# KiCad board EOutside.kicad_pcb (continued)
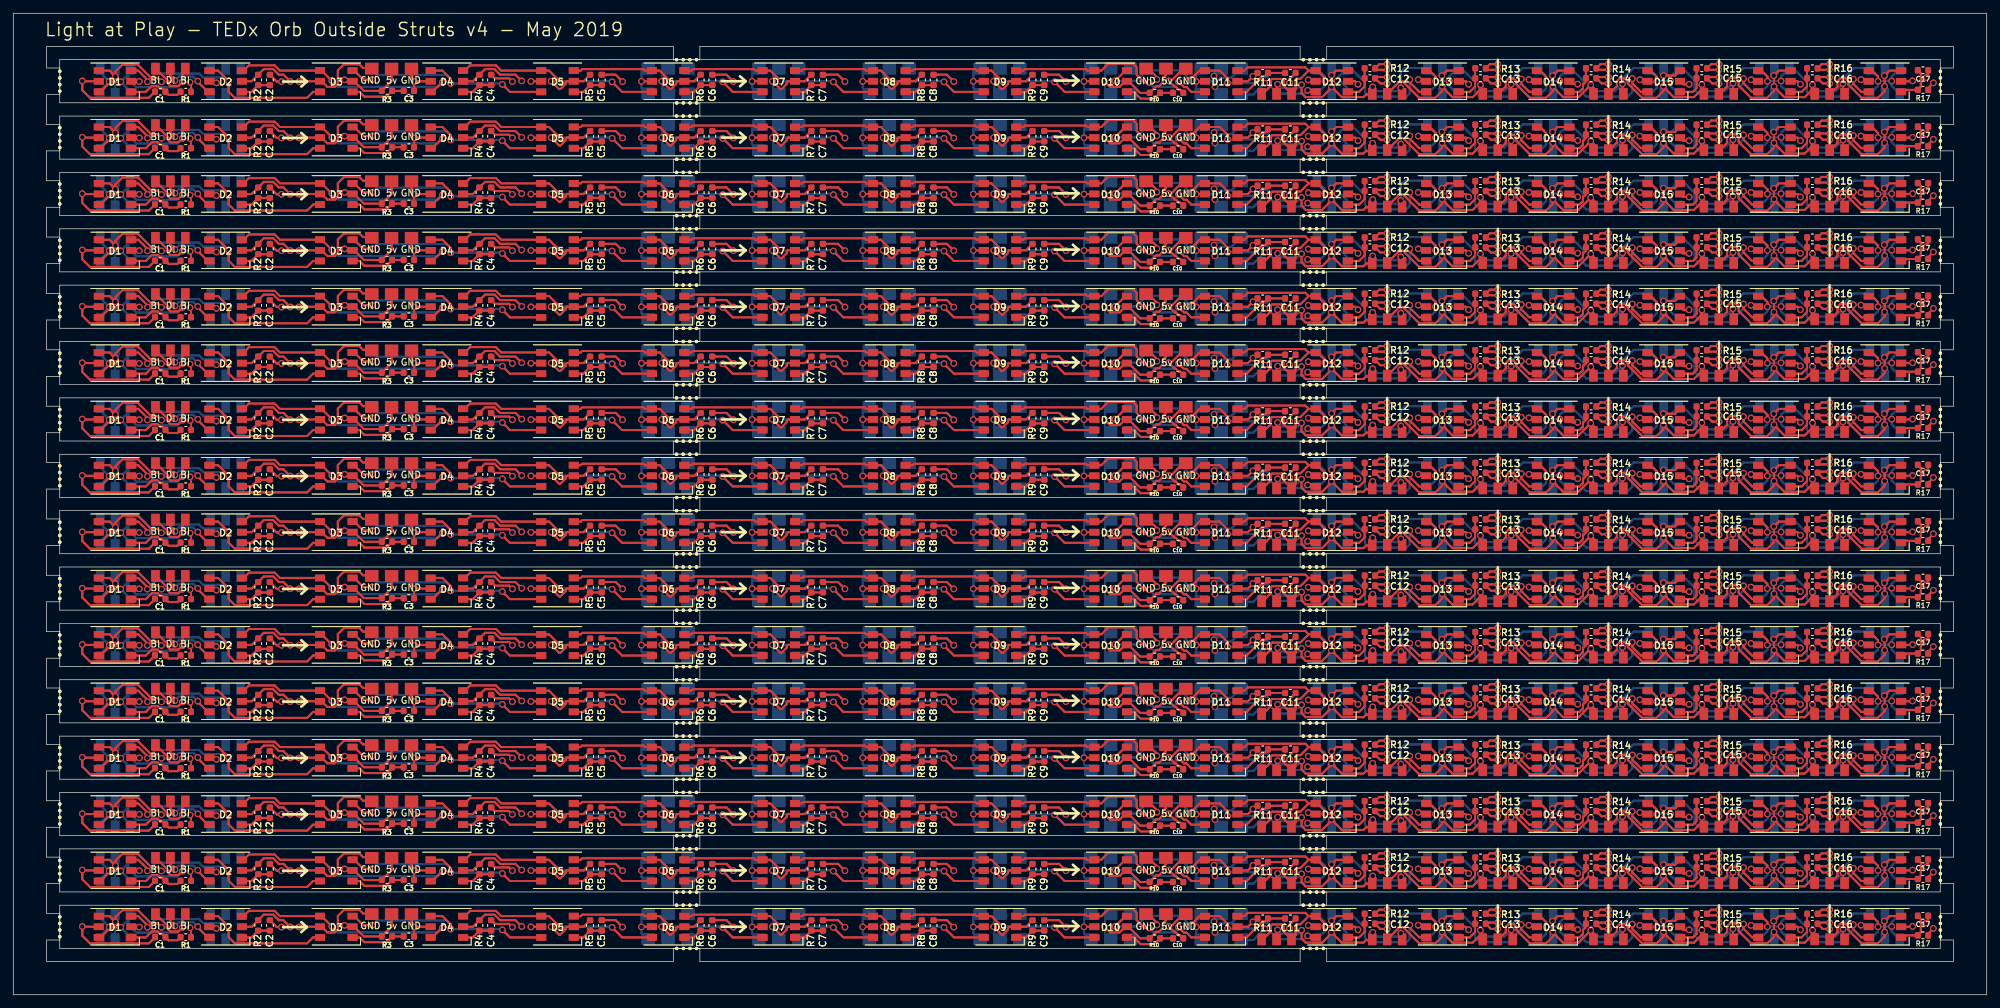
[diagram p0: board, top side]
## Routing (per net, layer and track width the routed paths; a pad name or vN(x,y) marks a point on that pad's centre or on a via; arc(x,y) is an arc through that point) (continued)
  Bottom w0.3: 232.06,139.74 232,139.8 232.06,139.74 ; 232.06,139.74 232.06,139.34 232.06,139.74 ; 231.91,139.56 J10#33.1 231.91,139.56 ; 231.91,139.56 v1(231.91,138.59) 231.91,139.56 ; 249.68,137.03 250.87,135.85 249.68,137.03 ; 249.68,137.03 v1(249.68,137.79) ; 249.68,137.03 v1(249.68,137.79) ; v1(249.68,137.79) 249.68,138.47 ; v1(249.68,137.79) 249.68,138.47 ; v1(249.68,137.79) 247.71,137.79 ; v1(249.68,137.79) 247.71,137.79 ; 249.68,138.47 250.87,139.65 249.68,138.47 ; 249.68,128.53 250.87,127.35 249.68,128.53 ; 249.68,128.53 v1(249.68,129.29) ; 249.68,128.53 v1(249.68,129.29) ; v1(249.68,129.29) 249.68,129.97 ; v1(249.68,129.29) 247.71,129.29 ; v1(249.68,129.29) 247.71,129.29 ; v1(249.68,129.29) 249.68,129.97 ; 249.68,129.97 250.87,131.15 249.68,129.97 ; 232.06,131.24 232,131.3 232.06,131.24 ; 232.06,131.24 232.06,130.84 232.06,131.24 ; 231.91,131.06 J10#36.1 231.91,131.06 ; 231.91,131.06 v1(231.91,130.09) 231.91,131.06 ; 247.71,129.29 v1(247.62,129.2) ; 247.71,129.29 v1(247.62,129.2) ; v1(247.62,129.2) 247.63,129.19 ; v1(247.62,129.2) 247.62,129.95 ; v1(247.62,129.2) 247.63,129.19 ; v1(247.62,129.2) 247.62,129.95 ; 247.63,129.19 247.63,128.28 ; 247.63,129.19 247.63,128.28 ; 247.63,128.28 246.7,127.35 ; 247.63,128.28 246.7,127.35 ; 246.7,127.35 J11#35.2 246.7,127.35 ; 231.96,127.39 231.96,127.76 ; 231.96,127.39 J10#35.1 231.96,127.39 ; 231.96,127.39 231.96,127.76 ; 231.96,127.76 v1(231.96,128.47) 231.96,127.76 ; 247.62,129.95 J11#36.2 247.62,129.95 ; 241.95,128.38 v1(242.45,128.88) ; 241.95,128.38 241.34,127.76 ; 241.95,128.38 241.34,127.76 ; 241.95,128.38 v1(242.45,128.88) ; v1(242.45,128.88) 242.45,129.58 ; v1(242.45,128.88) 242.45,129.58 ; 244.12,131.25 246.42,131.25 244.12,131.25 ; 244.12,131.25 242.45,129.58 ; 244.12,131.25 242.45,129.58 ; 241.34,127.76 238.61,127.76 ; 241.34,127.76 238.61,127.76 ; 238.61,127.76 v1(237.68,128.7) 238.61,127.76 ; 258.66,126.93 260.69,128.95 ; 258.66,126.93 254.32,126.93 ; 258.66,126.93 260.69,128.95 ; 258.66,126.93 254.32,126.93 ; 260.69,128.95 v1(260.69,129.66) 260.69,128.95 ; 251.42,131.3 253.3,129.43 ; 251.42,131.3 250.92,131.3 251.42,131.3 ; 251.42,131.3 253.3,129.43 ; 253.3,129.43 253.3,127.95 ; 253.3,129.43 253.3,127.95 ; 254.32,126.93 253.3,127.95 ; 254.32,126.93 253.3,127.95 ; 249.68,120.03 250.87,118.85 249.68,120.03 ; 249.68,120.03 v1(249.68,120.79) ; 249.68,120.03 v1(249.68,120.79) ; v1(249.68,120.79) 249.68,121.47 ; v1(249.68,120.79) 247.71,120.79 ; v1(249.68,120.79) 247.71,120.79 ; v1(249.68,120.79) 249.68,121.47 ; 249.68,121.47 250.87,122.65 249.68,121.47 ; 232.06,122.74 232,122.8 232.06,122.74 ; 232.06,122.74 232.06,122.34 232.06,122.74 ; 231.91,122.56 J10#40.1 231.91,122.56 ; 231.91,122.56 v1(231.91,121.59) 231.91,122.56 ; 247.71,120.79 v1(247.62,120.7) ; 247.71,120.79 v1(247.62,120.7) ; v1(247.62,120.7) 247.63,120.69 ; v1(247.62,120.7) 247.62,121.45 ; v1(247.62,120.7) 247.63,120.69 ; v1(247.62,120.7) 247.62,121.45 ; 247.63,120.69 247.63,119.78 ; 247.63,120.69 247.63,119.78 ; 247.63,119.78 246.7,118.85 ; 247.63,119.78 246.7,118.85 ; 246.7,118.85 J11#37.2 246.7,118.85 ; 231.96,118.89 231.96,119.26 ; 231.96,118.89 J10#37.1 231.96,118.89 ; 231.96,118.89 231.96,119.26 ; 231.96,119.26 v1(231.96,119.97) 231.96,119.26 ; 247.62,121.45 J11#38.2 247.62,121.45 ; 241.95,119.88 v1(242.45,120.38) ; 241.95,119.88 241.34,119.26 ; 241.95,119.88 v1(242.45,120.38) ; 241.95,119.88 241.34,119.26 ; v1(242.45,120.38) 242.45,121.08 ; v1(242.45,120.38) 242.45,121.08 ; 244.12,122.75 246.42,122.75 244.12,122.75 ; 244.12,122.75 242.45,121.08 ; 244.12,122.75 242.45,121.08 ; 241.34,119.26 238.61,119.26 ; 241.34,119.26 238.61,119.26 ; 238.61,119.26 v1(237.68,120.2) 238.61,119.26 ; 258.66,118.43 260.69,120.45 ; 258.66,118.43 254.32,118.43 ; 258.66,118.43 260.69,120.45 ; 258.66,118.43 254.32,118.43 ; 260.69,120.45 v1(260.69,121.16) 260.69,120.45 ; 251.42,122.8 253.3,120.93 ; 251.42,122.8 250.92,122.8 251.42,122.8 ; 251.42,122.8 253.3,120.93 ; 253.3,120.93 253.3,119.45 ; 253.3,120.93 253.3,119.45 ; 254.32,118.43 253.3,119.45 ; 254.32,118.43 253.3,119.45 ; 246.7,110.35 J11#40.2 246.7,110.35 ; 246.7,110.35 247.63,111.28 ; 246.7,110.35 247.63,111.28 ; 241.34,110.76 241.95,111.38 ; 241.34,110.76 238.61,110.76 ; 241.34,110.76 238.61,110.76 ; 241.34,110.76 241.95,111.38 ; 241.95,111.38 v1(242.45,111.88) ; 241.95,111.38 v1(242.45,111.88) ; 247.63,112.19 v1(247.62,112.2) ; 247.63,112.19 247.63,111.28 ; 247.63,112.19 v1(247.62,112.2) ; 247.63,112.19 247.63,111.28 ; v1(247.62,112.2) 247.71,112.29 ; v1(247.62,112.2) 247.62,112.95 ; v1(247.62,112.2) 247.71,112.29 ; v1(247.62,112.2) 247.62,112.95 ; 238.61,110.76 v1(237.68,111.7) 238.61,110.76 ; 258.66,109.93 260.69,111.95 ; 258.66,109.93 254.32,109.93 ; 258.66,109.93 260.69,111.95 ; 258.66,109.93 254.32,109.93 ; 260.69,111.95 v1(260.69,112.66) 260.69,111.95 ; 254.32,109.93 253.3,110.95 ; 254.32,109.93 253.3,110.95 ; 253.3,110.95 253.3,112.43 ; 253.3,110.95 253.3,112.43 ; 242.45,112.58 v1(242.45,111.88) ; 242.45,112.58 244.12,114.25 ; 242.45,112.58 v1(242.45,111.88) ; 242.45,112.58 244.12,114.25 ; 251.42,114.3 253.3,112.43 ; 251.42,114.3 250.92,114.3 251.42,114.3 ; 251.42,114.3 253.3,112.43 ; 231.96,110.39 231.96,110.76 ; 231.96,110.39 J10#38.1 231.96,110.39 ; 231.96,110.39 231.96,110.76 ; 231.96,110.76 v1(231.96,111.47) 231.96,110.76 ; 247.71,112.29 v1(249.68,112.29) ; 247.71,112.29 v1(249.68,112.29) ; 247.62,112.95 J11#39.2 247.62,112.95 ; 244.12,114.25 246.42,114.25 244.12,114.25 ; 232.06,114.24 232.06,113.84 232.06,114.24 ; 232.06,114.24 232,114.3 232.06,114.24 ; v1(249.68,112.29) 249.68,111.53 ; v1(249.68,112.29) 249.68,112.97 ; v1(249.68,112.29) 249.68,112.97 ; v1(249.68,112.29) 249.68,111.53 ; 249.68,111.53 250.87,110.35 249.68,111.53 ; 249.68,112.97 250.87,114.15 249.68,112.97 ; 231.91,114.06 J10#39.1 231.91,114.06 ; 231.91,114.06 v1(231.91,113.09) 231.91,114.06 ; 247.71,137.79 v1(247.62,137.7) ; 247.71,137.79 v1(247.62,137.7) ; v1(247.62,137.7) 247.63,137.69 ; v1(247.62,137.7) 247.62,138.45 ; v1(247.62,137.7) 247.63,137.69 ; v1(247.62,137.7) 247.62,138.45 ; 247.63,137.69 247.63,136.78 ; 247.63,137.69 247.63,136.78 ; 247.63,136.78 246.7,135.85 ; 247.63,136.78 246.7,135.85 ; 246.7,135.85 J11#34.2 246.7,135.85 ; 231.96,135.89 231.96,136.26 ; 231.96,135.89 J10#34.1 231.96,135.89 ; 231.96,135.89 231.96,136.26 ; 231.96,136.26 v1(231.96,136.97) 231.96,136.26 ; 247.62,138.45 J11#33.2 247.62,138.45 ; 241.95,136.88 v1(242.45,137.38) ; 241.95,136.88 241.34,136.26 ; 241.95,136.88 v1(242.45,137.38) ; 241.95,136.88 241.34,136.26 ; v1(242.45,137.38) 242.45,138.08 ; v1(242.45,137.38) 242.45,138.08 ; 244.12,139.75 246.42,139.75 244.12,139.75 ; 244.12,139.75 242.45,138.08 ; 244.12,139.75 242.45,138.08 ; 241.34,136.26 238.61,136.26 ; 241.34,136.26 238.61,136.26 ; 238.61,136.26 v1(237.68,137.2) 238.61,136.26 ; 258.66,135.43 260.69,137.45 ; 258.66,135.43 254.32,135.43 ; 258.66,135.43 254.32,135.43 ; 258.66,135.43 260.69,137.45 ; 260.69,137.45 v1(260.69,138.16) 260.69,137.45 ; 251.42,139.8 253.3,137.93 ; 251.42,139.8 250.92,139.8 251.42,139.8 ; 251.42,139.8 253.3,137.93 ; 253.3,137.93 253.3,136.45 ; 253.3,137.93 253.3,136.45 ; 254.32,135.43 253.3,136.45 ; 254.32,135.43 253.3,136.45 ; 249.68,103.03 250.87,101.85 249.68,103.03 ; 249.68,103.03 v1(249.68,103.79) ; 249.68,103.03 v1(249.68,103.79) ; v1(249.68,103.79) 249.68,104.47 ; v1(249.68,103.79) 247.71,103.79 ; v1(249.68,103.79) 249.68,104.47 ; v1(249.68,103.79) 247.71,103.79 ; 249.68,104.47 250.87,105.65 249.68,104.47 ; 232.06,105.74 232,105.8 232.06,105.74 ; 232.06,105.74 232.06,105.34 232.06,105.74 ; 231.91,105.56 J10#59.1 231.91,105.56 ; 231.91,105.56 v1(231.91,104.59) 231.91,105.56 ; 247.71,103.79 v1(247.62,103.7) ; 247.71,103.79 v1(247.62,103.7) ; v1(247.62,103.7) 247.63,103.69 ; v1(247.62,103.7) 247.62,104.45 ; v1(247.62,103.7) 247.63,103.69 ; v1(247.62,103.7) 247.62,104.45 ; 247.63,103.69 247.63,102.78 ; 247.63,103.69 247.63,102.78 ; 247.63,102.78 246.7,101.85 ; 247.63,102.78 246.7,101.85 ; 246.7,101.85 J11#53.2 246.7,101.85 ; 231.96,101.89 231.96,102.26 ; 231.96,101.89 J10#53.1 231.96,101.89 ; 231.96,101.89 231.96,102.26 ; 231.96,102.26 v1(231.96,102.97) 231.96,102.26 ; 247.62,104.45 J11#54.2 247.62,104.45 ; 241.95,102.88 v1(242.45,103.38) ; 241.95,102.88 241.34,102.26 ; 241.95,102.88 v1(242.45,103.38) ; 241.95,102.88 241.34,102.26 ; v1(242.45,103.38) 242.45,104.08 ; v1(242.45,103.38) 242.45,104.08 ; 244.12,105.75 246.42,105.75 244.12,105.75 ; 244.12,105.75 242.45,104.08 ; 244.12,105.75 242.45,104.08 ; 241.34,102.26 238.61,102.26 ; 241.34,102.26 238.61,102.26 ; 238.61,102.26 v1(237.68,103.2) 238.61,102.26 ; 258.66,101.43 260.69,103.45 ; 258.66,101.43 254.32,101.43 ; 258.66,101.43 260.69,103.45 ; 258.66,101.43 254.32,101.43 ; 260.69,103.45 v1(260.69,104.16) 260.69,103.45 ; 251.42,105.8 253.3,103.93 ; 251.42,105.8 250.92,105.8 251.42,105.8 ; 251.42,105.8 253.3,103.93 ; 253.3,103.93 253.3,102.45 ; 253.3,103.93 253.3,102.45 ; 254.32,101.43 253.3,102.45 ; 254.32,101.43 253.3,102.45 ; 246.7,93.35 J11#58.2 246.7,93.35 ; 246.7,93.35 247.63,94.28 ; 246.7,93.35 247.63,94.28 ; 241.34,93.76 241.95,94.38 ; 241.34,93.76 238.61,93.76 ; 241.34,93.76 241.95,94.38 ; 241.34,93.76 238.61,93.76 ; 241.95,94.38 v1(242.45,94.88) ; 241.95,94.38 v1(242.45,94.88) ; 247.63,95.19 v1(247.62,95.2) ; 247.63,95.19 247.63,94.28 ; 247.63,95.19 v1(247.62,95.2) ; 247.63,95.19 247.63,94.28 ; v1(247.62,95.2) 247.71,95.29 ; v1(247.62,95.2) 247.62,95.95 ; v1(247.62,95.2) 247.71,95.29 ; v1(247.62,95.2) 247.62,95.95 ; 238.61,93.76 v1(237.68,94.7) 238.61,93.76 ; 258.66,92.93 260.69,94.95 ; 258.66,92.93 254.32,92.93 ; 258.66,92.93 260.69,94.95 ; 258.66,92.93 254.32,92.93 ; 260.69,94.95 v1(260.69,95.66) 260.69,94.95 ; 254.32,92.93 253.3,93.95 ; 254.32,92.93 253.3,93.95 ; 253.3,93.95 253.3,95.43 ; 253.3,93.95 253.3,95.43 ; 242.45,95.58 v1(242.45,94.88) ; 242.45,95.58 244.12,97.25 ; 242.45,95.58 244.12,97.25 ; 242.45,95.58 v1(242.45,94.88) ; 251.42,97.3 253.3,95.43 ; 251.42,97.3 250.92,97.3 251.42,97.3 ; 251.42,97.3 253.3,95.43 ; 231.96,93.39 231.96,93.76 ; 231.96,93.39 J10#56.1 231.96,93.39 ; 231.96,93.39 231.96,93.76 ; 231.96,93.76 v1(231.96,94.47) 231.96,93.76 ; 247.71,95.29 v1(249.68,95.29) ; 247.71,95.29 v1(249.68,95.29) ; 247.62,95.95 J11#55.2 247.62,95.95 ; 244.12,97.25 246.42,97.25 244.12,97.25 ; 232.06,97.24 232.06,96.84 232.06,97.24 ; 232.06,97.24 232,97.3 232.06,97.24 ; v1(249.68,95.29) 249.68,94.53 ; v1(249.68,95.29) 249.68,95.97 ; v1(249.68,95.29) 249.68,95.97 ; v1(249.68,95.29) 249.68,94.53 ; 249.68,94.53 250.87,93.35 249.68,94.53 ; 249.68,95.97 250.87,97.15 249.68,95.97 ; 231.91,97.06 J10#62.1 231.91,97.06 ; 231.91,97.06 v1(231.91,96.09) 231.91,97.06 ; v1(249.68,78.29) 247.71,78.29 ; v1(249.68,78.29) 249.68,78.97 ; v1(249.68,78.29) 249.68,77.53 ; v1(249.68,78.29) 247.71,78.29 ; v1(249.68,78.29) 249.68,78.97 ; v1(249.68,78.29) 249.68,77.53 ; 247.71,78.29 v1(247.62,78.2) ; 247.71,78.29 v1(247.62,78.2) ; 231.91,80.06 v1(231.91,79.09) 231.91,80.06 ; 231.91,80.06 J10#52.1 231.91,80.06 ; 232.06,80.24 232,80.3 232.06,80.24 ; 232.06,80.24 232.06,79.84 232.06,80.24 ; 249.68,78.97 250.87,80.15 249.68,78.97 ; 249.68,77.53 250.87,76.35 249.68,77.53 ; 247.63,78.19 v1(247.62,78.2) ; 247.63,78.19 247.63,77.28 ; 247.63,78.19 v1(247.62,78.2) ; 247.63,78.19 247.63,77.28 ; v1(247.62,78.2) 247.62,78.95 ; v1(247.62,78.2) 247.62,78.95 ; 238.61,76.76 v1(237.68,77.7) 238.61,76.76 ; 238.61,76.76 241.34,76.76 ; 238.61,76.76 241.34,76.76 ; 258.66,75.93 260.69,77.95 ; 258.66,75.93 254.32,75.93 ; 258.66,75.93 260.69,77.95 ; 258.66,75.93 254.32,75.93 ; 260.69,77.95 v1(260.69,78.66) 260.69,77.95 ; 247.63,77.28 246.7,76.35 ; 247.63,77.28 246.7,76.35 ; 241.34,76.76 241.95,77.38 ; 241.34,76.76 241.95,77.38 ; 254.32,75.93 253.3,76.95 ; 254.32,75.93 253.3,76.95 ; 253.3,76.95 253.3,78.43 ; 253.3,76.95 253.3,78.43 ; 242.45,78.58 v1(242.45,77.88) ; 242.45,78.58 244.12,80.25 ; 242.45,78.58 v1(242.45,77.88) ; 242.45,78.58 244.12,80.25 ; v1(242.45,77.88) 241.95,77.38 ; v1(242.45,77.88) 241.95,77.38 ; 251.42,80.3 253.3,78.43 ; 251.42,80.3 250.92,80.3 251.42,80.3 ; 251.42,80.3 253.3,78.43 ; 231.96,76.39 231.96,76.76 ; 231.96,76.39 J10#50.1 231.96,76.39 ; 231.96,76.39 231.96,76.76 ; 231.96,76.76 v1(231.96,77.47) 231.96,76.76 ; 246.7,76.35 J11#52.2 246.7,76.35 ; 247.62,78.95 J11#51.2 247.62,78.95 ; 244.12,80.25 246.42,80.25 244.12,80.25 ; 232.06,88.74 232.06,88.34 232.06,88.74 ; 232.06,88.74 232,88.8 232.06,88.74 ; 231.91,88.56 J10#51.1 231.91,88.56 ; 231.91,88.56 v1(231.91,87.59) 231.91,88.56 ; v1(249.68,86.79) 247.71,86.79 ; v1(249.68,86.79) 249.68,87.47 ; v1(249.68,86.79) 249.68,86.03 ; v1(249.68,86.79) 249.68,87.47 ; v1(249.68,86.79) 249.68,86.03 ; v1(249.68,86.79) 247.71,86.79 ; 247.71,86.79 v1(247.62,86.7) ; 247.71,86.79 v1(247.62,86.7) ; v1(247.62,86.7) 247.63,86.69 ; v1(247.62,86.7) 247.62,87.45 ; v1(247.62,86.7) 247.63,86.69 ; v1(247.62,86.7) 247.62,87.45 ; 247.63,86.69 247.63,85.78 ; 247.63,86.69 247.63,85.78 ; 247.63,85.78 246.7,84.85 ; 247.63,85.78 246.7,84.85 ; 246.7,84.85 J11#49.2 246.7,84.85 ; 231.96,84.89 231.96,85.26 ; 231.96,84.89 J10#49.1 231.96,84.89 ; 231.96,84.89 231.96,85.26 ; 231.96,85.26 v1(231.96,85.97) 231.96,85.26 ; 247.62,87.45 J11#50.2 247.62,87.45 ; 241.95,85.88 v1(242.45,86.38) ; 241.95,85.88 241.34,85.26 ; 241.95,85.88 v1(242.45,86.38) ; 241.95,85.88 241.34,85.26 ; v1(242.45,86.38) 242.45,87.08 ; v1(242.45,86.38) 242.45,87.08 ; 244.12,88.75 246.42,88.75 244.12,88.75 ; 244.12,88.75 242.45,87.08 ; 244.12,88.75 242.45,87.08 ; 241.34,85.26 238.61,85.26 ; 241.34,85.26 238.61,85.26 ; 238.61,85.26 v1(237.68,86.2) 238.61,85.26 ; 258.66,84.43 260.69,86.45 ; 258.66,84.43 254.32,84.43 ; 258.66,84.43 260.69,86.45 ; 258.66,84.43 254.32,84.43 ; 260.69,86.45 v1(260.69,87.16) 260.69,86.45 ; 251.42,88.8 253.3,86.93 ; 251.42,88.8 250.92,88.8 251.42,88.8 ; 251.42,88.8 253.3,86.93 ; 253.3,86.93 253.3,85.45 ; 253.3,86.93 253.3,85.45 ; 254.32,84.43 253.3,85.45 ; 254.32,84.43 253.3,85.45 ; 249.68,86.03 250.87,84.85 249.68,86.03 ; 249.68,87.47 250.87,88.65 249.68,87.47 ; 241.95,51.88 v1(242.45,52.38) ; 241.95,51.88 241.34,51.26 ; 241.95,51.88 v1(242.45,52.38) ; 241.95,51.88 241.34,51.26 ; v1(242.45,52.38) 242.45,53.08 ; v1(242.45,52.38) 242.45,53.08 ; 244.12,54.75 246.42,54.75 244.12,54.75 ; 244.12,54.75 242.45,53.08 ; 244.12,54.75 242.45,53.08 ; 241.34,51.26 238.61,51.26 ; 241.34,51.26 238.61,51.26 ; 238.61,51.26 v1(237.68,52.2) 238.61,51.26 ; 258.66,50.43 260.69,52.45 ; 258.66,50.43 254.32,50.43 ; 258.66,50.43 260.69,52.45 ; 258.66,50.43 254.32,50.43 ; 260.69,52.45 v1(260.69,53.16) 260.69,52.45 ; 251.42,54.8 253.3,52.93 ; 251.42,54.8 250.92,54.8 251.42,54.8 ; 251.42,54.8 253.3,52.93 ; 253.3,52.93 253.3,51.45 ; 253.3,52.93 253.3,51.45 ; 254.32,50.43 253.3,51.45 ; 254.32,50.43 253.3,51.45 ; v1(247.62,52.7) 247.62,53.45 ; v1(247.62,52.7) 247.63,52.69 ; v1(247.62,52.7) 247.71,52.79 ; v1(247.62,52.7) 247.71,52.79 ; v1(247.62,52.7) 247.63,52.69 ; v1(247.62,52.7) 247.62,53.45 ; 247.62,53.45 J11#70.2 247.62,53.45 ; 231.96,50.89 J10#71.1 231.96,50.89 ; 231.96,50.89 231.96,51.26 ; 231.96,50.89 231.96,51.26 ; 231.96,51.26 v1(231.96,51.97) 231.96,51.26 ; 246.7,50.85 J11#71.2 246.7,50.85 ; 246.7,50.85 247.63,51.78 ; 246.7,50.85 247.63,51.78 ; 247.63,51.78 247.63,52.69 ; 247.63,51.78 247.63,52.69 ; 247.71,52.79 v1(249.68,52.79) ; 247.71,52.79 v1(249.68,52.79) ; v1(249.68,52.79) 249.68,53.47 ; v1(249.68,52.79) 249.68,52.03 ; v1(249.68,52.79) 249.68,53.47 ; v1(249.68,52.79) 249.68,52.03 ; 231.91,54.56 v1(231.91,53.59) 231.91,54.56 ; 231.91,54.56 J10#69.1 231.91,54.56 ; 232.06,54.74 232.06,54.34 232.06,54.74 ; 232.06,54.74 232,54.8 232.06,54.74 ; 231.96,68.26 v1(231.96,68.97) 231.96,68.26 ; 231.96,68.26 231.96,67.89 ; 231.96,68.26 231.96,67.89 ; 231.96,67.89 J10#66.1 231.96,67.89 ; 247.62,70.45 J11#73.2 247.62,70.45 ; 247.62,70.45 v1(247.62,69.7) ; 247.62,70.45 v1(247.62,69.7) ; v1(247.62,69.7) 247.71,69.79 ; v1(247.62,69.7) 247.63,69.69 ; v1(247.62,69.7) 247.71,69.79 ; v1(247.62,69.7) 247.63,69.69 ; 241.95,68.88 v1(242.45,69.38) ; 241.95,68.88 241.34,68.26 ; 241.95,68.88 v1(242.45,69.38) ; 241.95,68.88 241.34,68.26 ; v1(242.45,69.38) 242.45,70.08 ; v1(242.45,69.38) 242.45,70.08 ; 244.12,71.75 246.42,71.75 244.12,71.75 ; 244.12,71.75 242.45,70.08 ; 244.12,71.75 242.45,70.08 ; 241.34,68.26 238.61,68.26 ; 241.34,68.26 238.61,68.26 ; 238.61,68.26 v1(237.68,69.2) 238.61,68.26 ; 258.66,67.43 260.69,69.45 ; 258.66,67.43 254.32,67.43 ; 258.66,67.43 260.69,69.45 ; 258.66,67.43 254.32,67.43 ; 260.69,69.45 v1(260.69,70.16) 260.69,69.45 ; 251.42,71.8 253.3,69.93 ; 251.42,71.8 250.92,71.8 251.42,71.8 ; 251.42,71.8 253.3,69.93 ; 253.3,69.93 253.3,68.45 ; 253.3,69.93 253.3,68.45 ; 254.32,67.43 253.3,68.45 ; 254.32,67.43 253.3,68.45 ; 249.68,69.03 250.87,67.85 249.68,69.03 ; 249.68,69.03 v1(249.68,69.79) ; 249.68,69.03 v1(249.68,69.79) ; v1(249.68,69.79) 249.68,70.47 ; v1(249.68,69.79) 247.71,69.79 ; v1(249.68,69.79) 249.68,70.47 ; v1(249.68,69.79) 247.71,69.79 ; 249.68,70.47 250.87,71.65 249.68,70.47 ; 232.06,71.74 232,71.8 232.06,71.74 ; 232.06,71.74 232.06,71.34 232.06,71.74 ; 231.91,71.56 J10#74.1 231.91,71.56 ; 231.91,71.56 v1(231.91,70.59) 231.91,71.56 ; 247.63,69.69 247.63,68.78 ; 247.63,69.69 247.63,68.78 ; 247.63,68.78 246.7,67.85 ; 247.63,68.78 246.7,67.85 ; 246.7,67.85 J11#66.2 246.7,67.85 ; 246.7,59.35 J11#68.2 246.7,59.35 ; 246.7,59.35 247.63,60.28 ; 246.7,59.35 247.63,60.28 ; 241.34,59.76 241.95,60.38 ; 241.34,59.76 238.61,59.76 ; 241.34,59.76 241.95,60.38 ; 241.34,59.76 238.61,59.76 ; 241.95,60.38 v1(242.45,60.88) ; 241.95,60.38 v1(242.45,60.88) ; 247.63,61.19 v1(247.62,61.2) ; 247.63,61.19 247.63,60.28 ; 247.63,61.19 v1(247.62,61.2) ; 247.63,61.19 247.63,60.28 ; v1(247.62,61.2) 247.71,61.29 ; v1(247.62,61.2) 247.62,61.95 ; v1(247.62,61.2) 247.71,61.29 ; v1(247.62,61.2) 247.62,61.95 ; 238.61,59.76 v1(237.68,60.7) 238.61,59.76 ; 258.66,58.93 260.69,60.95 ; 258.66,58.93 254.32,58.93 ; 258.66,58.93 260.69,60.95 ; 258.66,58.93 254.32,58.93 ; 260.69,60.95 v1(260.69,61.66) 260.69,60.95 ; 254.32,58.93 253.3,59.95 ; 254.32,58.93 253.3,59.95 ; 253.3,59.95 253.3,61.43 ; 253.3,59.95 253.3,61.43 ; 242.45,61.58 v1(242.45,60.88) ; 242.45,61.58 244.12,63.25 ; 242.45,61.58 244.12,63.25 ; 242.45,61.58 v1(242.45,60.88) ; 251.42,63.3 253.3,61.43 ; 251.42,63.3 250.92,63.3 251.42,63.3 ; 251.42,63.3 253.3,61.43 ; 231.96,59.39 231.96,59.76 ; 231.96,59.39 J10#68.1 231.96,59.39 ; 231.96,59.39 231.96,59.76 ; 231.96,59.76 v1(231.96,60.47) 231.96,59.76 ; 247.71,61.29 v1(249.68,61.29) ; 247.71,61.29 v1(249.68,61.29) ; 247.62,61.95 J11#65.2 247.62,61.95 ; 244.12,63.25 246.42,63.25 244.12,63.25 ; 232.06,63.24 232.06,62.84 232.06,63.24 ; 232.06,63.24 232,63.3 232.06,63.24 ; v1(249.68,61.29) 249.68,60.53 ; v1(249.68,61.29) 249.68,61.97 ; v1(249.68,61.29) 249.68,61.97 ; v1(249.68,61.29) 249.68,60.53 ; 249.68,60.53 250.87,59.35 249.68,60.53 ; 249.68,61.97 250.87,63.15 249.68,61.97 ; 231.91,63.06 J10#73.1 231.91,63.06 ; 231.91,63.06 v1(231.91,62.09) 231.91,63.06 ; 246.7,42.35 J11#69.2 246.7,42.35 ; 246.7,42.35 247.63,43.28 ; 246.7,42.35 247.63,43.28 ; 241.34,42.76 241.95,43.38 ; 241.34,42.76 238.61,42.76 ; 241.34,42.76 241.95,43.38 ; 241.34,42.76 238.61,42.76 ; 241.95,43.38 v1(242.45,43.88) ; 241.95,43.38 v1(242.45,43.88) ; 253.3,44.43 253.3,42.95 ; 253.3,44.43 251.42,46.3 ; 253.3,44.43 251.42,46.3 ; 253.3,44.43 253.3,42.95 ; 253.3,42.95 254.32,41.93 ; 253.3,42.95 254.32,41.93 ; 244.12,46.25 242.45,44.58 ; 244.12,46.25 246.42,46.25 244.12,46.25 ; 244.12,46.25 242.45,44.58 ; 242.45,44.58 v1(242.45,43.88) ; 242.45,44.58 v1(242.45,43.88) ; 232.06,46.24 232.06,45.84 232.06,46.24 ; 232.06,46.24 232,46.3 232.06,46.24 ; v1(249.68,44.29) 249.68,43.53 ; v1(249.68,44.29) 249.68,43.53 ; v1(249.68,44.29) 247.71,44.29 ; v1(249.68,44.29) 249.68,44.97 ; v1(249.68,44.29) 247.71,44.29 ; v1(249.68,44.29) 249.68,44.97 ; 249.68,43.53 250.87,42.35 249.68,43.53 ; 249.68,44.97 250.87,46.15 249.68,44.97 ; 231.91,46.06 J10#67.1 231.91,46.06 ; 231.91,46.06 v1(231.91,45.09) 231.91,46.06 ; 247.63,44.19 v1(247.62,44.2) ; 247.63,44.19 247.63,43.28 ; 247.63,44.19 v1(247.62,44.2) ; 247.63,44.19 247.63,43.28 ; v1(247.62,44.2) 247.71,44.29 ; v1(247.62,44.2) 247.62,44.95 ; v1(247.62,44.2) 247.71,44.29 ; v1(247.62,44.2) 247.62,44.95 ; 238.61,42.76 v1(237.68,43.7) 238.61,42.76 ; 258.66,41.93 260.69,43.95 ; 258.66,41.93 254.32,41.93 ; 258.66,41.93 260.69,43.95 ; 258.66,41.93 254.32,41.93 ; 260.69,43.95 v1(260.69,44.66) 260.69,43.95 ; 251.42,46.3 250.92,46.3 251.42,46.3 ; 231.96,42.39 231.96,42.76 ; 231.96,42.39 J10#65.1 231.96,42.39 ; 231.96,42.39 231.96,42.76 ; 231.96,42.76 v1(231.96,43.47) 231.96,42.76 ; 247.62,44.95 J11#72.2 247.62,44.95 ; 249.68,52.03 250.87,50.85 249.68,52.03 ; 249.68,53.47 250.87,54.65 249.68,53.47 ; 249.68,35.03 250.87,33.85 249.68,35.03 ; 249.68,35.03 v1(249.68,35.79) ; 249.68,35.03 v1(249.68,35.79) ; v1(249.68,35.79) 249.68,36.47 ; v1(249.68,35.79) 247.71,35.79 ; v1(249.68,35.79) 249.68,36.47 ; v1(249.68,35.79) 247.71,35.79 ; 249.68,36.47 250.87,37.65 249.68,36.47 ; 232.06,37.74 232,37.8 232.06,37.74 ; 232.06,37.74 232.06,37.34 232.06,37.74 ; 231.91,37.56 J10#91.1 231.91,37.56 ; 231.91,37.56 v1(231.91,36.59) 231.91,37.56 ; 247.71,35.79 v1(247.62,35.7) ; 247.71,35.79 v1(247.62,35.7) ; v1(247.62,35.7) 247.63,35.69 ; v1(247.62,35.7) 247.62,36.45 ; v1(247.62,35.7) 247.63,35.69 ; v1(247.62,35.7) 247.62,36.45 ; 247.63,35.69 247.63,34.78 ; 247.63,35.69 247.63,34.78 ; 247.63,34.78 246.7,33.85 ; 247.63,34.78 246.7,33.85 ; 246.7,33.85 J11#81.2 246.7,33.85 ; 231.96,33.89 231.96,34.26 ; 231.96,33.89 J10#82.1 231.96,33.89 ; 231.96,33.89 231.96,34.26 ; 231.96,34.26 v1(231.96,34.97) 231.96,34.26 ; 241.95,34.88 v1(242.45,35.38) ; 241.95,34.88 241.34,34.26 ; 241.95,34.88 v1(242.45,35.38) ; 241.95,34.88 241.34,34.26 ; v1(242.45,35.38) 242.45,36.08 ; v1(242.45,35.38) 242.45,36.08 ; 244.12,37.75 246.42,37.75 244.12,37.75 ; 244.12,37.75 242.45,36.08 ; 244.12,37.75 242.45,36.08 ; 241.34,34.26 238.61,34.26 ; 241.34,34.26 238.61,34.26 ; 238.61,34.26 v1(237.68,35.2) 238.61,34.26 ; 258.66,33.43 260.69,35.45 ; 258.66,33.43 254.32,33.43 ; 258.66,33.43 260.69,35.45 ; 258.66,33.43 254.32,33.43 ; 260.69,35.45 v1(260.69,36.16) 260.69,35.45 ; 251.42,37.8 253.3,35.93 ; 251.42,37.8 250.92,37.8 251.42,37.8 ; 251.42,37.8 253.3,35.93 ; 253.3,35.93 253.3,34.45 ; 253.3,35.93 253.3,34.45 ; 254.32,33.43 253.3,34.45 ; 254.32,33.43 253.3,34.45 ; 247.62,36.45 J11#88.2 247.62,36.45 ; 232.06,12.24 232.06,11.84 232.06,12.24 ; 232.06,12.24 232,12.3 232.06,12.24 ; v1(249.68,10.29) 249.68,9.53 ; v1(249.68,10.29) 249.68,10.97 ; v1(249.68,10.29) 247.71,10.29 ; v1(249.68,10.29) 249.68,10.97 ; v1(249.68,10.29) 249.68,9.53 ; v1(249.68,10.29) 247.71,10.29 ; 249.68,9.53 250.87,8.35 249.68,9.53 ; 249.68,10.97 250.87,12.15 249.68,10.97 ; 231.91,12.06 J10#86.1 231.91,12.06 ; 231.91,12.06 v1(231.91,11.09) 231.91,12.06 ; 247.63,10.19 v1(247.62,10.2) ; 247.63,10.19 247.63,9.28 ; 247.63,10.19 v1(247.62,10.2) ; 247.63,10.19 247.63,9.28 ; v1(247.62,10.2) 247.71,10.29 ; v1(247.62,10.2) 247.62,10.95 ; v1(247.62,10.2) 247.71,10.29 ; v1(247.62,10.2) 247.62,10.95 ; 238.61,8.76 v1(237.68,9.7) 238.61,8.76 ; 238.61,8.76 241.34,8.76 ; 238.61,8.76 241.34,8.76 ; 258.66,7.93 260.69,9.95 ; 258.66,7.93 254.32,7.93 ; 258.66,7.93 260.69,9.95 ; 258.66,7.93 254.32,7.93 ; 260.69,9.95 v1(260.69,10.66) 260.69,9.95 ; 247.63,9.28 246.7,8.35 ; 247.63,9.28 246.7,8.35 ; 241.34,8.76 241.95,9.38 ; 241.34,8.76 241.95,9.38 ; 254.32,7.93 253.3,8.95 ; 254.32,7.93 253.3,8.95 ; 253.3,8.95 253.3,10.43 ; 253.3,8.95 253.3,10.43 ; 242.45,10.58 v1(242.45,9.88) ; 242.45,10.58 244.12,12.25 ; 242.45,10.58 v1(242.45,9.88) ; 242.45,10.58 244.12,12.25 ; v1(242.45,9.88) 241.95,9.38 ; v1(242.45,9.88) 241.95,9.38 ; 251.42,12.3 253.3,10.43 ; 251.42,12.3 250.92,12.3 251.42,12.3 ; 251.42,12.3 253.3,10.43 ; 231.96,8.39 231.96,8.76 ; 231.96,8.39 J10#81.1 231.96,8.39 ; 231.96,8.39 231.96,8.76 ; 231.96,8.76 v1(231.96,9.47) 231.96,8.76 ; 246.7,8.35 J11#90.2 246.7,8.35 ; 247.62,10.95 J11#84.2 247.62,10.95 ; 244.12,12.25 246.42,12.25 244.12,12.25 ; 231.91,20.56 v1(231.91,19.59) 231.91,20.56 ; 231.91,20.56 J10#87.1 231.91,20.56 ; 232.06,20.74 232.06,20.34 232.06,20.74 ; 232.06,20.74 232,20.8 232.06,20.74 ; 253.3,18.93 253.3,17.45 ; 253.3,18.93 251.42,20.8 ; 253.3,18.93 251.42,20.8 ; 253.3,18.93 253.3,17.45 ; 253.3,17.45 254.32,16.43 ; 253.3,17.45 254.32,16.43 ; 251.42,20.8 250.92,20.8 251.42,20.8 ; 260.69,18.45 v1(260.69,19.16) 260.69,18.45 ; 260.69,18.45 258.66,16.43 ; 260.69,18.45 258.66,16.43 ; 254.32,16.43 258.66,16.43 ; 254.32,16.43 258.66,16.43 ; 238.61,17.26 v1(237.68,18.2) 238.61,17.26 ; 238.61,17.26 241.34,17.26 ; 238.61,17.26 241.34,17.26 ; 241.34,17.26 241.95,17.88 ; 241.34,17.26 241.95,17.88 ; 242.45,19.08 v1(242.45,18.38) ; 242.45,19.08 244.12,20.75 ; 242.45,19.08 244.12,20.75 ; 242.45,19.08 v1(242.45,18.38) ; v1(242.45,18.38) 241.95,17.88 ; v1(242.45,18.38) 241.95,17.88 ; 244.12,20.75 246.42,20.75 244.12,20.75 ; 246.7,16.85 J11#82.2 246.7,16.85 ; 246.7,16.85 247.63,17.78 ; 246.7,16.85 247.63,17.78 ; 231.96,16.89 231.96,17.26 ; 231.96,16.89 J10#83.1 231.96,16.89 ; 231.96,16.89 231.96,17.26 ; 231.96,17.26 v1(231.96,17.97) 231.96,17.26 ; 247.62,19.45 J11#91.2 247.62,19.45 ; 247.62,19.45 v1(247.62,18.7) ; 247.62,19.45 v1(247.62,18.7) ; v1(247.62,18.7) 247.63,18.69 ; v1(247.62,18.7) 247.71,18.79 ; v1(247.62,18.7) 247.71,18.79 ; v1(247.62,18.7) 247.63,18.69 ; 247.63,17.78 247.63,18.69 ; 247.63,17.78 247.63,18.69 ; 247.71,18.79 v1(249.68,18.79) ; 247.71,18.79 v1(249.68,18.79) ; v1(249.68,18.79) 249.68,19.47 ; v1(249.68,18.79) 249.68,18.03 ; v1(249.68,18.79) 249.68,19.47 ; v1(249.68,18.79) 249.68,18.03 ; 249.68,18.03 250.87,16.85 249.68,18.03 ; 249.68,19.47 250.87,20.65 249.68,19.47 ; 246.7,25.35 J11#92.2 246.7,25.35 ; 246.7,25.35 247.63,26.28 ; 246.7,25.35 247.63,26.28 ; 241.34,25.76 241.95,26.38 ; 241.34,25.76 238.61,25.76 ; 241.34,25.76 241.95,26.38 ; 241.34,25.76 238.61,25.76 ; 241.95,26.38 v1(242.45,26.88) ; 241.95,26.38 v1(242.45,26.88) ; 247.63,27.19 v1(247.62,27.2) ; 247.63,27.19 247.63,26.28 ; 247.63,27.19 v1(247.62,27.2) ; 247.63,27.19 247.63,26.28 ; v1(247.62,27.2) 247.71,27.29 ; v1(247.62,27.2) 247.62,27.95 ; v1(247.62,27.2) 247.71,27.29 ; v1(247.62,27.2) 247.62,27.95 ; 238.61,25.76 v1(237.68,26.7) 238.61,25.76 ; 258.66,24.93 260.69,26.95 ; 258.66,24.93 254.32,24.93 ; 258.66,24.93 260.69,26.95 ; 258.66,24.93 254.32,24.93 ; 260.69,26.95 v1(260.69,27.66) 260.69,26.95 ; 254.32,24.93 253.3,25.95 ; 254.32,24.93 253.3,25.95 ; 253.3,25.95 253.3,27.43 ; 253.3,25.95 253.3,27.43 ; 242.45,27.58 v1(242.45,26.88) ; 242.45,27.58 244.12,29.25 ; 242.45,27.58 244.12,29.25 ; 242.45,27.58 v1(242.45,26.88) ; 251.42,29.3 253.3,27.43 ; 251.42,29.3 250.92,29.3 251.42,29.3 ; 251.42,29.3 253.3,27.43 ; 231.96,25.39 231.96,25.76 ; 231.96,25.39 J10#90.1 231.96,25.39 ; 231.96,25.39 231.96,25.76 ; 231.96,25.76 v1(231.96,26.47) 231.96,25.76 ; 244.12,29.25 246.42,29.25 244.12,29.25 ; 232.06,29.24 232.06,28.84 232.06,29.24 ; 232.06,29.24 232,29.3 232.06,29.24 ; v1(249.68,27.29) 249.68,26.53 ; v1(249.68,27.29) 247.71,27.29 ; v1(249.68,27.29) 249.68,27.97 ; v1(249.68,27.29) 249.68,26.53 ; v1(249.68,27.29) 247.71,27.29 ; v1(249.68,27.29) 249.68,27.97 ; 249.68,26.53 250.87,25.35 249.68,26.53 ; 249.68,27.97 250.87,29.15 249.68,27.97 ; 231.91,29.06 J10#93.1 231.91,29.06 ; 231.91,29.06 v1(231.91,28.09) 231.91,29.06 ; 247.62,27.95 J11#85.2 247.62,27.95 ; 232,135.75 231.93,135.82 232,135.75 ; 246.42,139.68 246.42,139.31 246.42,139.68 ; 246.42,131.18 246.42,130.81 246.42,131.18 ; 232,127.25 231.93,127.32 232,127.25 ; 246.42,122.68 246.42,122.31 246.42,122.68 ; 232,118.75 231.93,118.82 232,118.75 ; 232,110.25 231.93,110.32 232,110.25 ; 246.42,114.18 246.42,113.81 246.42,114.18 ; 246.42,105.68 246.42,105.31 246.42,105.68 ; 232,101.75 231.93,101.82 232,101.75 ; 232,93.25 231.93,93.32 232,93.25 ; 246.42,97.18 246.42,96.81 246.42,97.18 ; 232,76.25 231.93,76.32 232,76.25 ; 246.42,80.18 246.42,79.81 246.42,80.18 ; 232,84.75 231.93,84.82 232,84.75 ; 246.42,88.68 246.42,88.31 246.42,88.68 ; 232,50.75 231.93,50.82 232,50.75 ; 246.42,71.68 246.42,71.31 246.42,71.68 ; 232,67.75 231.93,67.82 232,67.75 ; 232,59.25 231.93,59.32 232,59.25 ; 246.42,63.18 246.42,62.81 246.42,63.18 ; 232,42.25 231.93,42.32 232,42.25 ; 246.42,46.18 246.42,45.81 246.42,46.18 ; 246.42,54.68 246.42,54.31 246.42,54.68 ; 246.42,37.68 246.42,37.31 246.42,37.68 ; 232,33.75 231.93,33.82 232,33.75 ; 232,16.75 231.93,16.82 232,16.75 ; 232,8.25 231.93,8.32 232,8.25 ; 246.42,12.18 246.42,11.81 246.42,12.18 ; 246.42,20.68 246.42,20.31 246.42,20.68 ; 232,25.25 231.93,25.32 232,25.25 ; 246.42,29.18 246.42,28.81 246.42,29.18
